# Altium PCB dgainblock.PcbDoc
Units mil, origin at the board's own origin, x right, y up, seen from the top; angles counter-clockwise.
Board outline 1350 x 1576 mil, 2 copper layers (Top Layer, Bottom Layer); 28 components, 14 nets, 85 pads, 533 vias.
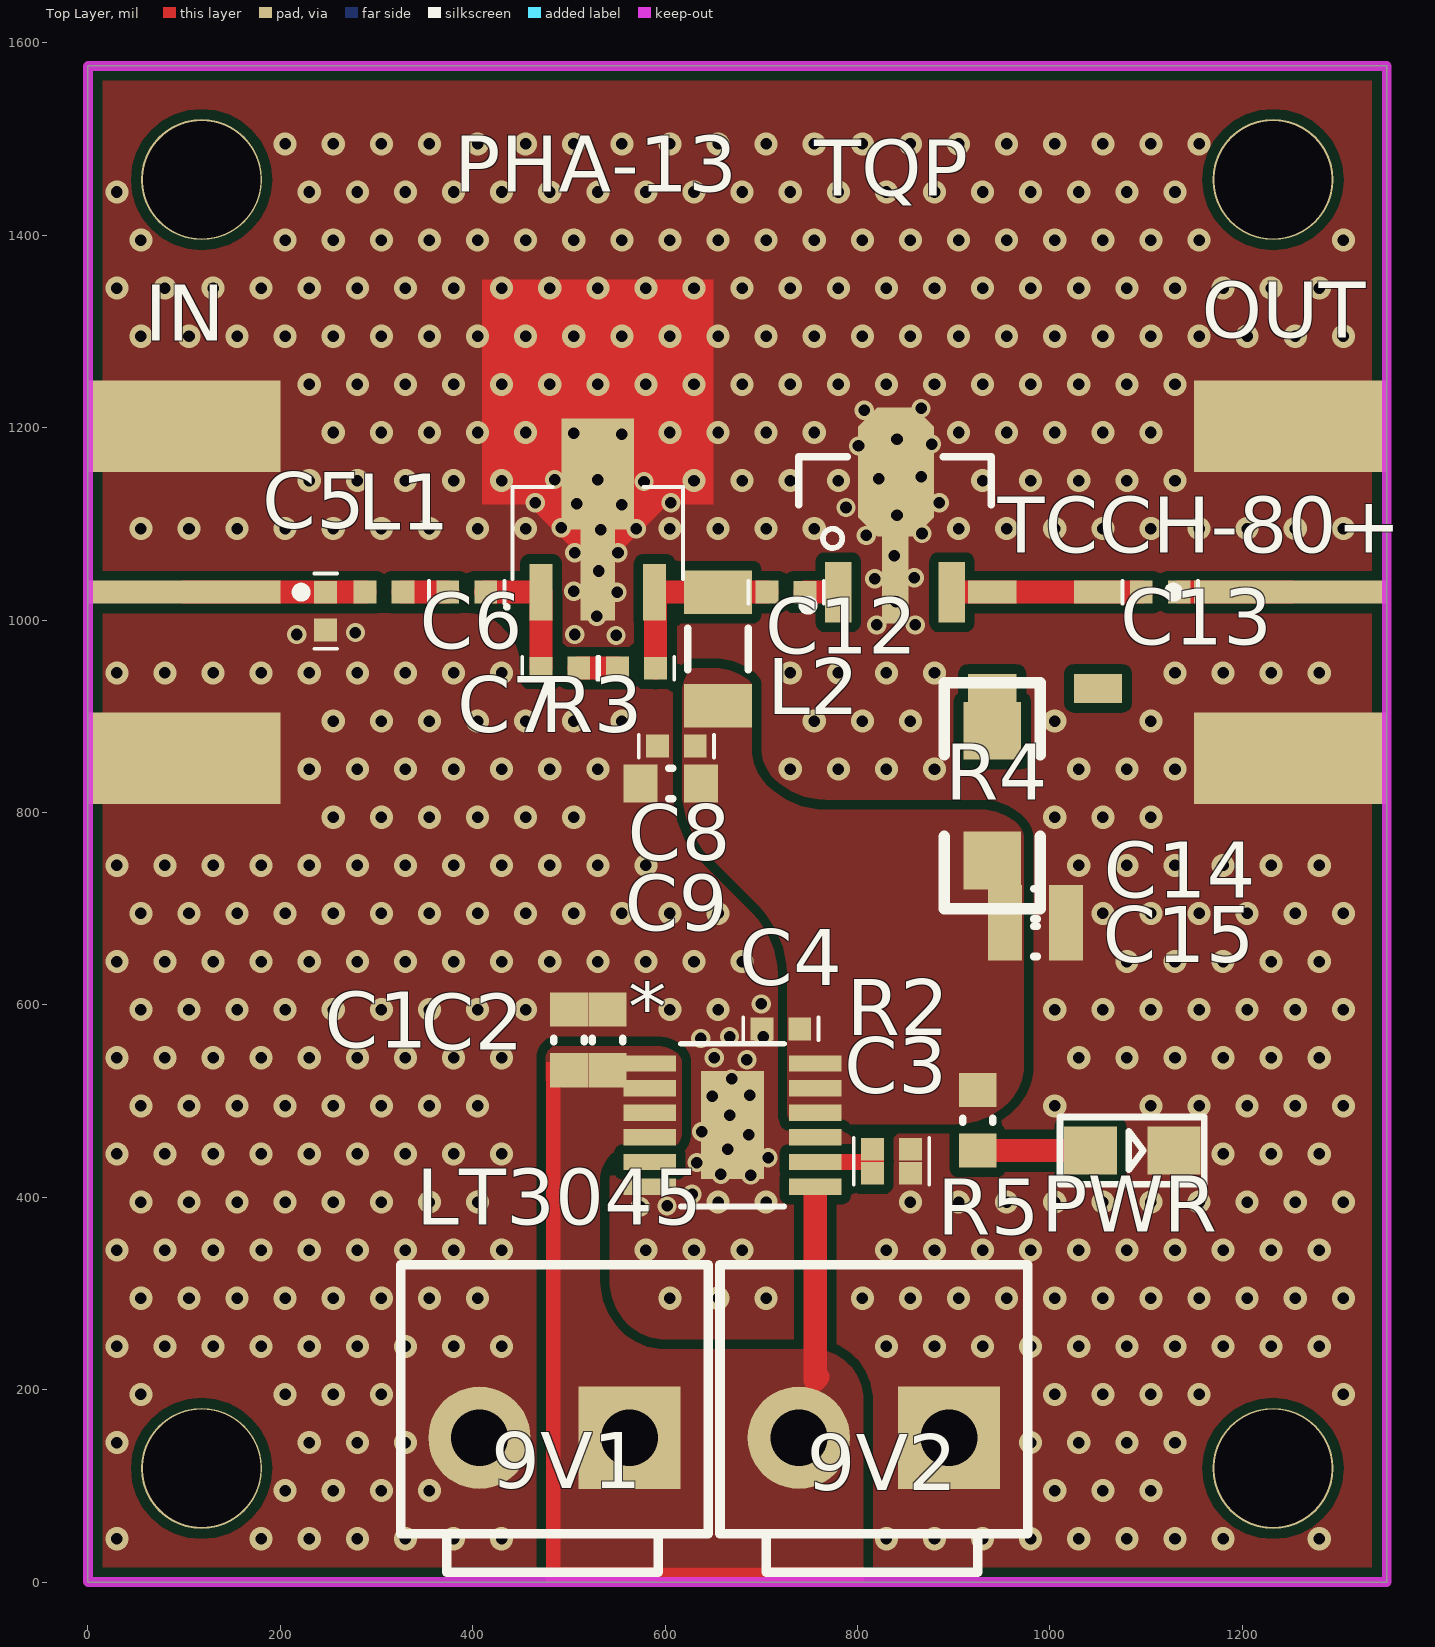
[diagram p0: Top Layer view]
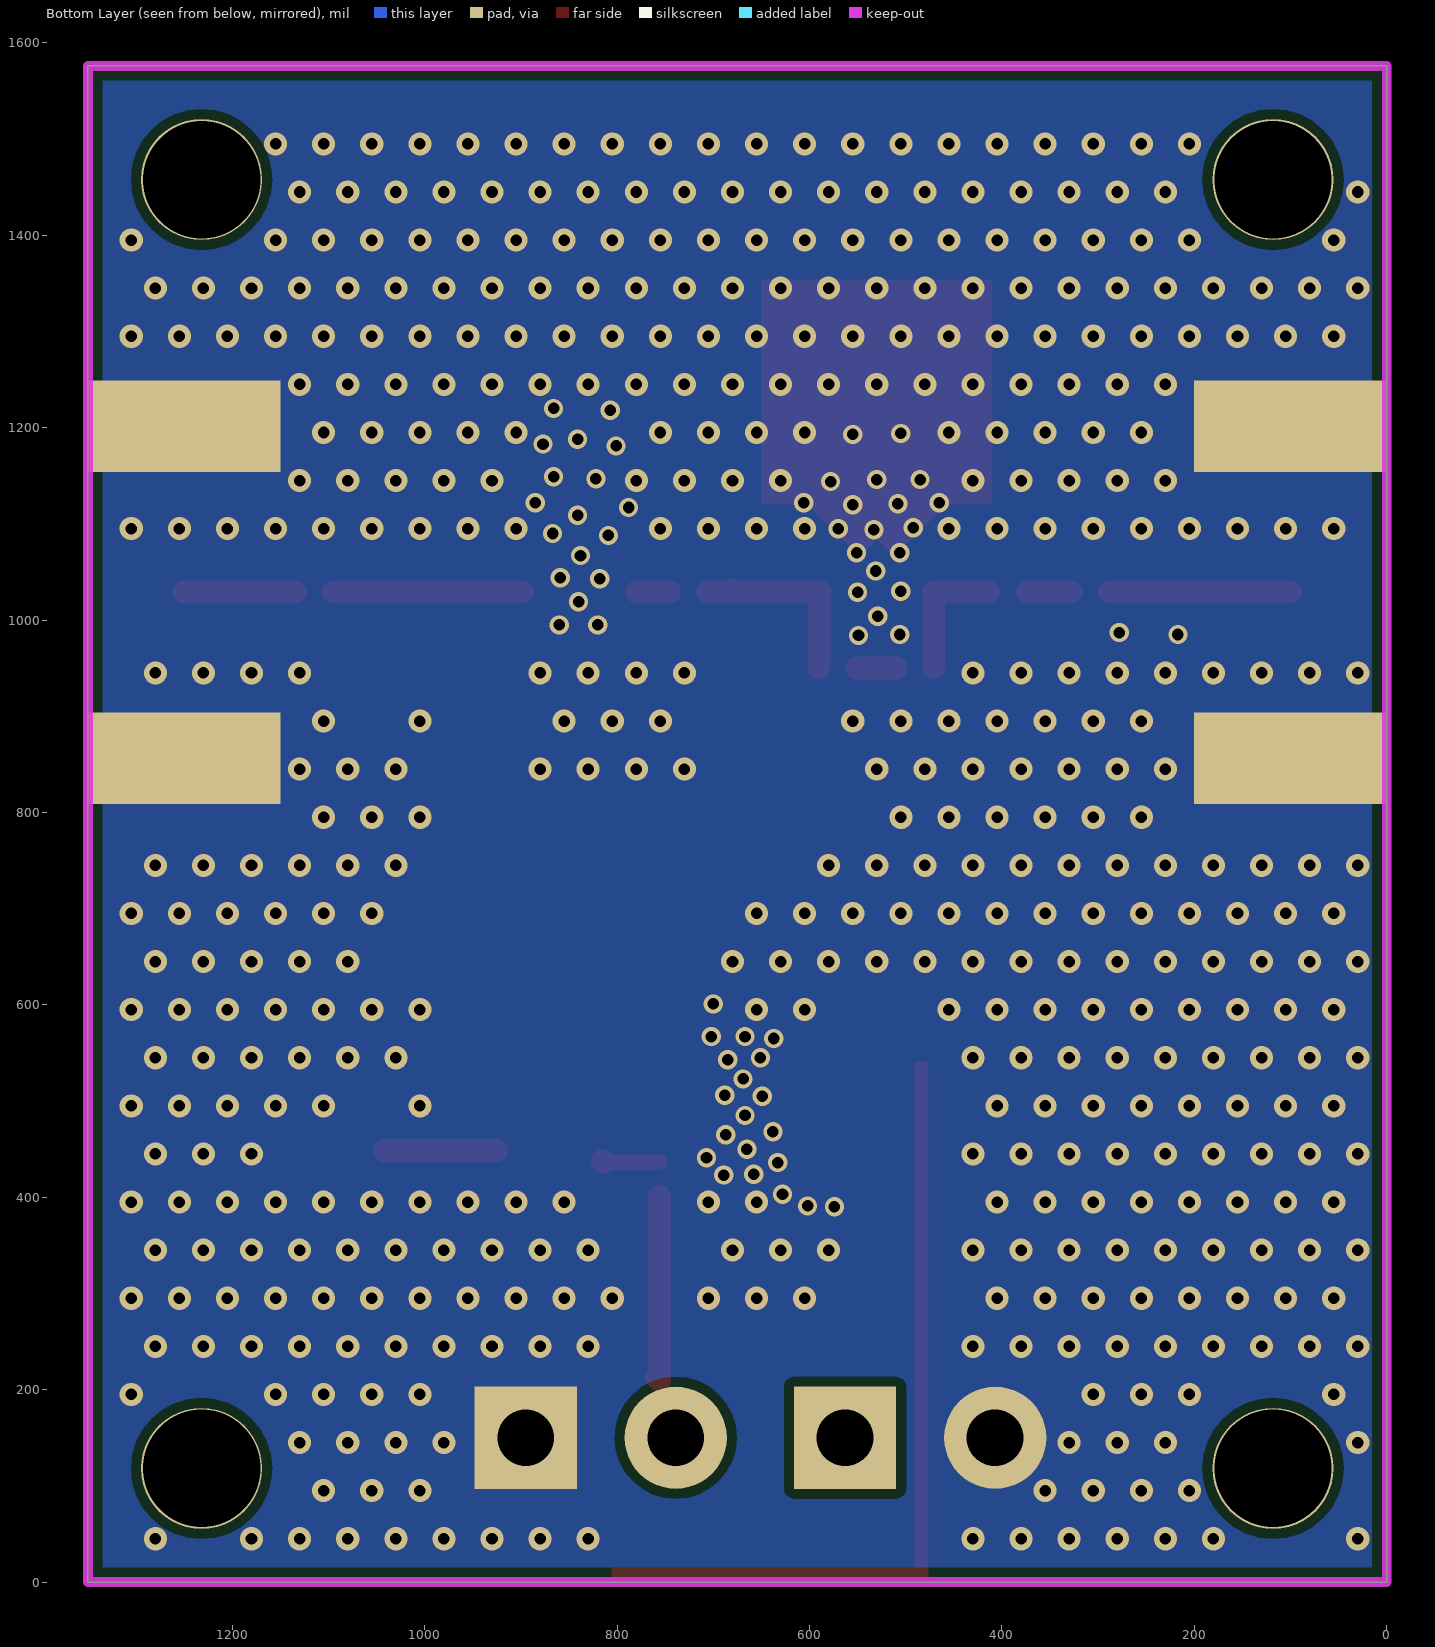
[diagram p1: Bottom Layer view, seen from below]

## Layer stack, top to bottom
Top Solder: solder mask 0.4, Solder Resist, Dk 3.5
Top Layer: signal copper 1.4
Dielectric 1: dielectric 12.6, FR-4, Dk 4.8
Bottom Layer: signal copper 1.4
Bottom Solder: solder mask 0.4, Solder Resist, Dk 3.5

## Board outline
0,0 0,1576 1350,1576 1350,0

## Design rules (kind name [scope] priority, off if disabled: settings)
Clearance [All] p1: gap=10 ignorepadtopadclearanceinfootprint=FALSE except(0: Arc-Hole Track-Hole SMDPad-Hole THPad-Hole Via-Hole Fill-Hole Poly-Hole Region-Hole Text-Hole)
PlaneConnect [All] p1: planeconnectstyle=Direct reliefexpansion=20 reliefentries=4 reliefconductorwidth=10 reliefairgap=10
PolygonConnect [All] p1: connectstyle=Direct reliefconductorwidth=10 reliefentries=4 polygonreliefangle="90 Angle" airgapwidth=10
RoutingVias [All] p1: holewidth=28 width=50 viastyle="Through Hole" minholewidth=28 minwidth=50 maxholewidth=28 maxwidth=50
SolderMaskExpansion [All] p1: expansion=4
Width [All] p1: maxlimit=30 minlimit=24 preferedwidth=24
29 further rules are at their usual default settings.

## Components (designator, comment, footprint, x,y, rotation, side; value= is the part's Value field where it differs from the comment)
9V1 "3.96" 3.96 485,150 r180 top
9V2 "3.96" 3.96 817.05,150 r180 top
C1 "10u" 0603C 500,563.5 r90 top
C2 "4.7uF" 0603C 540,563.5 r90 top
C3 "0.47uF" 0402#1 855,450 r180 top
C4 "10uF" 0402#1 700.63,575 r0 top
C5 "1.5pF" 0402#1 247,989.63 r90 top
C6 "2.2uF" 0402#2 413.37,1029 r180 top
C7 "0.1uF" 0402#3 510.31,950 r180 top
C8 "1000pF" 0402#1 592.01,869 r0 top
C9 "10uF" 0603C 605.79,830 r0 top
C12 "10uF" 0402#4 706,1029 r0 top
C13 "10uF" 0402#2 1095,1029 r0 top
C14 "100nF" 0603C 985,705 r0 top
C15 "100nF" 0603C 985,666 r0 top
IN "SMA" SMA 196,1024 r0 top
L1 "5.1nH" 0402#5 307.68,1029 r0 top value=100uH
L2 "15uH" 1206C 655,969.94 r270 top value=100uH
LT3045 "LT3045EMSE" MSOP12-MSE-RevG_ADI 670,475 r0 top
OUT "SMA" SMA 1154,1034 r180 top
PHA-13 "PHA-13LN+" PHA13LN 530,1090.42 r0 top
PWR "LED" SMDLED 1041.97,448.57 r0 top (schematic designator LD1)
R2 "50K" 0402#1 855,425 r180 top
R3 "1k5" 0402#4 550.63,950 r0 top
R4 "24" 1206 940,750 r90 top
R5 "1K" 0603R 925,480 r90 top
TCCH-80+ "TCCH-80+" GU1604 995,979 r270 top
TQP "TQP369182" SOT89_M 839.06,1109.87 r0 top

## Footprints (in the part's own frame and the unit in brackets; to place one, negate y for a bottom-side part, rotate by r counter-clockwise, add the part's x,y. Pads: shape width x height; smd on the part's side, far side on the other; paste and mask are expansions set on the pad)
3.96 [mm] "接插件，25V/5A"
  rect 2.7x2.7 hole 1.5: 1(-1.98,0)
  round 2.7 hole 1.5: 2(1.982,0)
  silkscreen extent -4.06,-4.57 4.07,3.56, body extent -3.98,-4.4 4.03,4.16, height 10.5
0402#1 [mm]
  rect 0.6x0.6 smd: 1(0,0) 2(1,0)
  silkscreen extent -0.5,-0.3 1.5,0.3
0402#2 [mm]
  rect 0.6x0.61 smd: 1(0,0) 2(1,0)
  silkscreen extent -0.5,-0.3 1.5,0.3
0402#3 [mm]
  rect 0.6x0.61 smd: 1(0,0)
  rect 0.6x0.6 smd: 2(1,0)
  silkscreen extent -0.5,-0.3 1.5,0.3
0402#4 [mm]
  rect 0.61x0.61 smd: 1(0,0)
  rect 0.6x0.6 smd: 2(1,0)
  silkscreen extent -0.5,-0.3 1.5,0.3
0402#5 [mm] "Chip Capacitor, Body 1.0x0.5mm, IPC High Density"
  rect 0.61x0.61 smd: 1(-0.5,0)
  rect 0.6x0.61 smd: 2(0.5,0)
  body extent -0.55,-0.3 0.55,0.3, height 1.3
0603C [mm] "Chip Capacitor, Body 1.6x0.8mm, Height 1.0mm, IPC Medium Density"
  rect 0.9x1 smd: 1(-0.8,0) 2(0.8,0)
  silkscreen extent -0.05,-0.4 0.05,0.4, body extent -0.88,-0.48 0.88,0.47, height 1
0603R [mm] "Chip Resistor, Body 1.6x0.8mm, IPC Medium Density"
  rect 0.9x1 smd: 1(-0.8,0) 2(0.8,0)
  silkscreen extent -0.05,-0.4 0.05,0.4, body extent -0.85,-0.47 0.85,0.47, height 0.6
1206 [mil]
  rect 60x60 smd: 1(0,0) 2(135,0)
  silkscreen extent -50,-50 185,50
1206C [mm] "Chip Capacitor, Body 3.2x1.6mm, Height 1mm, IPC Medium Density"
  rect 1.15x1.8 smd: 1(-1.5,0) 2(1.5,0)
  silkscreen extent -0.55,-0.8 0.55,0.8, body extent -1.7,-0.9 1.7,0.9, height 1
GU1604 [mil]
  rect 24x50 smd: 1(-50,55) 4(-50,-55)
  rect 30x50 smd: 2(50,55) 3(50,-55)
MSOP12-MSE-RevG_ADI [mm]
  rect 1.393x0.431 smd paste+0 mask+0: 1(-2.185,1.625) 2(-2.185,0.975) 3(-2.185,0.325) 4(-2.185,-0.325) 5(-2.185,-0.975) 6(-2.185,-1.625) 7(2.185,-1.625) 8(2.185,-0.975) 9(2.185,-0.325) 10(2.185,0.325) 11(2.185,0.975) 12(2.185,1.625)
  rect 1.651x2.845 smd paste-1.41 mask+0: EPAD(0,0)
  silkscreen extent -1.36,-2.15 1.36,2.15, body extent 0,0 0.25,0.25, height 0.25
PHA13LN [mm]
  rect 0.61x1.5 smd: 1(-1.5,-1.56) 3(1.5,-1.56)
  rect 0.91x2.5 smd: 2(0,-1.06)
  rect 1.91x2.92 smd: 4(0,1.56)
  silkscreen extent -2.45,-2 2.25,1.22, body extent -2.25,-1.22 2.25,1.22, height 1.7
SMA [mil]
  rect 200x24 smd: 1(-96,5)
  rect 200x95 smd: 2(-96,-167.5) 2(-96,177.5)
  rect 200x95 smd far side: 2(-96,-167.5) 2(-96,177.5) 2(-96,177.5)
  silkscreen extent 21,0 31,10, body extent -571,-183 -9,192, height 171
SMDLED [mm]
  rect 1.4x1.27 smd: 1(0.001,-0.002) 2(2.211,-0.002)
  silkscreen extent -0.8,-0.89 3.01,0.89
SOT89_M [mm] "4.6x4.3x1.6mm(长宽高)"
  rect 0.7x1.6 smd: 1(-1.5,-2.054) 3(1.5,-2.054)
  rect 0.7x2.4 smd: 2(0,-1.676)
  oct 2x3.4 smd: 2(0.025,1.118)
  silkscreen extent -2.54,-2.52 2.54,1.52, body extent -2.3,-2.4 2.3,1.9, height 1.6

## Part data
C1 C2 C3 C4 C5 C6 C7 C8 C9 C12 C13 C14 C15: library part C, "Capacitor"
IN OUT: "SMA Connector"
L1 L2: library part Inductor, "Inductor", Published=8-Jun-2000, Publisher="Altium Limited", Revision="July-2002: Re-released for DXP Platform."
LT3045: "No Description Available", Built_By=SunStream, Copyright="Copyright (C) 2018 Accelerated Designs. All rights reserved", Manufacturer_Part_Number=LT3045EMSE, RefDes=RefDes, SourceLibrary=Analog_Devices_Inc_2020-09-15, Type=DEV, Vendor="Analog Devices Inc"
PHA-13: "Integrated Circuit", Manufacturer_Name=Mini-Circuits, Mouser Part Number=139-PHA-13LN, Datasheet Link=https://www.minicircuits.com/pdfs/PHA-13LN+.pdf, Height=1.6mm, Manufacturer_Part_Number=PHA-13LN+, Mouser Price/Stock=https://www.mouser.co.uk/ProductDetail/Mini-Circuits/PHA-13LN%2b?qs=xZ%2FP%252Ba9zWqYkwnUBoTp7PQ%3D%3D
PWR: "Typical RED, GREEN, YELLOW, AMBER GaAs LED", PackageDocument=Feb-2002, LatestRevisionDate=17-Jul-2002, LatestRevisionNote="Re-released for DXP Platform.", PackageReference=3.2X1.6X1.1, Published=8-Jun-2000, Publisher="Altium Limited"
R2 R3 R4 R5: library part Resistor, "Resistor"

## Free pads (board coordinates)
  round 125.98 hole 122.05: 3(118.11,118.11) 3(118.11,1457.89) 3(1231.89,118.11) 3(1231.89,1457.89)

## Via types
v1: diameter 24, hole 12, Top Layer to Bottom Layer, tented both sides, 473 vias
v2: diameter 20, hole 12, Top Layer to Bottom Layer, tented both sides, 60 vias

## Nets (pads, with @x,y where several pads share a name; then routed paths per layer and width w, separated by ;. In a path a pad name is that pad's centre, name@x,y a point inside that pad or via, vN(x,y) a via of type N, cw(c..) or ccw(c..) an arc to the next point about the centre after c; other vN are vias at no path point)
5V: C4.2 C8.2 C9.2 C14.1 C15.1 L2.2 LT3045.10 LT3045.11 LT3045.12 R4.1 R5.2
GND: 9V1.2 9V2.1 C1.2 C2.2 C3.1 C4.1 C5.1 C8.1 C9.1 C14.2 C15.2 IN.2 LT3045.6 LT3045.9 LT3045.EPAD OUT.2 PHA-13.2 PHA-13.4 PWR.2 R2.1 TQP.2
  other v1: 30,45 180,45 230,45 280,45 330,45 380,45 430,45 830,45 880,45 930,45 980,45 1030,45 1080,45 1130,45 1180,45 1280,45 205,95 255,95 305,95 355,95 1005,95 1055,95 1105,95 30,145 230,145 280,145 330,145 980,145 1030,145 1080,145 1130,145 55,195 205,195 255,195 305,195 1005,195 1055,195 1105,195 1155,195 1305,195 30,245 80,245 130,245 180,245 230,245 280,245 330,245 380,245 430,245 830,245 880,245 930,245 980,245 1030,245 1080,245 1130,245 1180,245 1230,245 1280,245 55,295 105,295 155,295 205,295 255,295 305,295 355,295 405,295 605,295 655,295 705,295 805,295 855,295 905,295 955,295 1005,295 1055,295 1105,295 1155,295 1205,295 1255,295 1305,295 30,345 80,345 130,345 180,345 230,345 280,345 330,345 380,345 430,345 580,345 630,345 680,345 830,345 880,345 930,345 980,345 1030,345 1080,345 1130,345 1180,345 1230,345 1280,345 55,395 105,395 155,395 205,395 255,395 305,395 355,395 405,395 655,395 705,395 855,395 905,395 955,395 1005,395 1055,395 1105,395 1155,395 1205,395 1255,395 1305,395 30,445 80,445 130,445 180,445 230,445 280,445 330,445 380,445 430,445 1180,445 1230,445 1280,445 55,495 105,495 155,495 205,495 255,495 305,495 355,495 405,495 1005,495 1105,495 1155,495 1205,495 1255,495 1305,495 30,545 80,545 130,545 180,545 230,545 280,545 330,545 380,545 430,545 1030,545 1080,545 1130,545 1180,545 1230,545 1280,545 55,595 105,595 155,595 205,595 255,595 305,595 355,595 405,595 455,595 605,595 655,595 1005,595 1055,595 1105,595 1155,595 1205,595 1255,595 1305,595 30,645 80,645 130,645 180,645 230,645 280,645 330,645 380,645 430,645 480,645 530,645 580,645 630,645 680,645 1080,645 1130,645 1180,645 1230,645 1280,645 55,695 105,695 155,695 205,695 255,695 305,695 355,695 405,695 455,695 505,695 555,695 605,695 655,695 1055,695 1105,695 1155,695 1205,695 1255,695 1305,695 30,745 80,745 130,745 180,745 230,745 280,745 330,745 380,745 430,745 480,745 530,745 580,745 1030,745 1080,745 1130,745 1180,745 1230,745 1280,745 255,795 305,795 355,795 405,795 455,795 505,795 1005,795 1055,795 1105,795 230,845 280,845 330,845 380,845 430,845 480,845 530,845 730,845 780,845 830,845 880,845 1030,845 1080,845 1130,845 255,895 305,895 355,895 405,895 455,895 505,895 555,895 755,895 805,895 855,895 1005,895 1105,895 30,945 80,945 130,945 180,945 230,945 280,945 330,945 380,945 430,945 730,945 780,945 830,945 880,945 1130,945 1180,945 1230,945 1280,945 55,1095 105,1095 155,1095 205,1095 255,1095 305,1095 355,1095 405,1095 455,1095 605,1095 655,1095 705,1095 755,1095 905,1095 955,1095 1005,1095 1055,1095 1105,1095 1155,1095 1205,1095 1255,1095 1305,1095 230,1145 280,1145 330,1145 380,1145 430,1145 630,1145 680,1145 730,1145 780,1145 930,1145 980,1145 1030,1145 1080,1145 1130,1145 255,1195 305,1195 355,1195 405,1195 455,1195 605,1195 655,1195 705,1195 755,1195 905,1195 955,1195 1005,1195 1055,1195 1105,1195 230,1245 280,1245 330,1245 380,1245 430,1245 480,1245 530,1245 580,1245 630,1245 680,1245 730,1245 780,1245 830,1245 880,1245 930,1245 980,1245 1030,1245 1080,1245 1130,1245 55,1295 105,1295 155,1295 205,1295 255,1295 305,1295 355,1295 405,1295 455,1295 505,1295 555,1295 605,1295 655,1295 705,1295 755,1295 805,1295 855,1295 905,1295 955,1295 1005,1295 1055,1295 1105,1295 1155,1295 1205,1295 1255,1295 1305,1295 30,1345 80,1345 130,1345 180,1345 230,1345 280,1345 330,1345 380,1345 430,1345 480,1345 530,1345 580,1345 630,1345 680,1345 730,1345 780,1345 830,1345 880,1345 930,1345 980,1345 1030,1345 1080,1345 1130,1345 1180,1345 1230,1345 1280,1345 55,1395 205,1395 255,1395 305,1395 355,1395 405,1395 455,1395 505,1395 555,1395 605,1395 655,1395 705,1395 755,1395 805,1395 855,1395 905,1395 955,1395 1005,1395 1055,1395 1105,1395 1155,1395 1305,1395 30,1445 230,1445 280,1445 330,1445 380,1445 430,1445 480,1445 530,1445 580,1445 630,1445 680,1445 730,1445 780,1445 830,1445 880,1445 930,1445 980,1445 1030,1445 1080,1445 1130,1445 205,1495 255,1495 305,1495 355,1495 405,1495 455,1495 505,1495 555,1495 605,1495 655,1495 705,1495 755,1495 805,1495 855,1495 905,1495 955,1495 1005,1495 1055,1495 1105,1495 1155,1495
  other v2: 574,390 602,391 628,403 689,423 658,424 633,436 707,441 665,450 687,465 638,468 667,485 649,505 688,506 669,523 685,543 651,545 637,565 667,567 702,567 700,601 549,984 217,985 506,985 278,987 820,995 860,995 529,1004 840,1019 550,1029 505,1030 818,1043 859,1044 531,1051 838,1067 506,1070 551,1070 809,1088 867,1090 533,1094 570,1095 492,1096 841,1109 788,1117 555,1120 508,1121 465,1122 606,1122 885,1122 578,1144 485,1146 530,1146 822,1147 866,1149 801,1181 877,1183 841,1188 555,1193 505,1194 807,1218 866,1220
Net9V1_1: 9V1.1 9V2.2 C1.1 C2.1 LT3045.1 LT3045.2 LT3045.3 LT3045.4 LT3045.7 | length 198.8
  Top Layer w24: 756.02,220.19 ccw(c766.19,220.19) 756.05,219.49 ; 756.05,210.21 756.05,219.49 ; 756.05,401.05 756.05,219.49 ; 759,213 cw(c766.19,220.19) 756.05,219.49
NetC3_2: C3.2 LT3045.8 R2.2 | length 59.8
  Top Layer w17: LT3045.8 R2.2@813.49,436.61
  Top Layer w24: R2.2@813.49,436.61 ccw(c813.49,439.64) 815.63,437.5
NetC5_2: C5.2 IN.1 L1.1 | length 188
  Top Layer w24: IN.1 C5.2 L1.1
NetC6_1: C6.1 C7.2 PHA-13.1 | length 136.6
  Top Layer w24: C6.1 PHA-13.1 C7.2
NetC6_2: C6.2 L1.2 | length 46.6
  Top Layer w24: L1.2 C6.2
NetC7_1: C7.1 R3.1 | length 40.3
  Top Layer w24: C7.1 R3.1
NetC12_2: C12.2 TQP.1 | length 34.6
  Top Layer w24: C12.2 TQP.1
NetC13_1: C13.1 TCCH-80+.1 TCCH-80+.4 TQP.3 | length 196.9
  Top Layer w24: TQP.3 TCCH-80+.4 TCCH-80+.1 C13.1
NetC13_2: C13.2 OUT.1 | length 115.6
  Top Layer w24: C13.2 OUT.1
NetLD1_1: PWR.1 R5.1 | length 117
  Top Layer w24: R5.1 PWR.1
NetR4_2: R4.2 TCCH-80+.3
OUT1: C12.1 L2.1 PHA-13.3 R3.2 | length 199
  Top Layer w24: R3.2 590,1028.06 PHA-13.3 L2.1 L2.1@679,1029 ; L2.1@680,1031.41 cw(c676.59,1031.41) L2.1@679,1029 ; C12.1 L2.1@679,1029
pads on no net: LT3045.5 TCCH-80+.2

## Polygon pours and split planes (outlines as drawn)
GND on Top Layer "Top Layer-No Net" (solid, remove dead copper, pour order 8): 0,1576 1350,1576 1350,0 0,0
Net9V1_1 on Top Layer "Top Layer-No Net" (solid, remove dead copper, pour order 2): 592.27,557 cw(c592.27,526.27) 614,548 cw(c606.76,540.76) 617,540.76 617,466.07 cw(c599.93,466.07) 612,454 cw(c604.76,461.24) 604.76,451 559.9,451 ccw(c559.9,427.1) 543,444 ccw(c569.56,417.44) 532,417.44 532,314.11 ccw(c607.11,314.11) 554,261 ccw(c599.87,306.87) 599.87,242 753.79,242 cw(c753.79,190.79) 790,227 cw(c751.37,188.37) 806,188.37 806,0 488,0 488,495.34 ccw(c474.34,495.34) 484,505 cw(c503.31,524.31) 476,524.31 476,545 cw(c488.07,545) 479.54,553.54 482,556 cw(c484.41,553.59) 484.41,557
5V on Top Layer "Top Layer-No Net" (solid, remove dead copper, pour order 0): 628,950 ccw(c652.14,925.86) 618,925.86 618,823.42 ccw(c718,823.42) 647.29,752.71 697.71,702.29 cw(c627,631.58) 727,631.58 727,485.24 ccw(c737.24,485.24) 730,478 ccw(c734.83,482.83) 734.83,476 901.47,476 ccw(c901.47,554.53) 957,499 ccw(c918.37,537.63) 973,537.63 973,772.51 ccw(c952.51,772.51) 967,787 ccw(c928.37,748.37) 928.37,803 766.36,803 cw(c766.36,888.36) 706,828 cw(c744.63,866.63) 690,866.63 690,934 ccw(c651.37,895.37) 651.37,950
GND on Bottom Layer "Top Layer-No Net" (solid, remove dead copper, pour order 6): 0,1576 1350,1576 1350,0 0,0

## Keep-outs
Keep-Out Layer:
  the board outline again, w10

## Other copper
Top Layer:
  region net GND: 547.72,1065.28 609.24,1126.8 567.52,1168.52 506,1107
  region net GND: 554,1107 492.48,1168.52 450.76,1126.8 512.28,1065.28
  rectangle net GND: 409.5,1120 650.5,1354
  rectangle net Net9V1_1: 491,0 806,15.29
  rectangle net Net9V1_1: 476,0 491,540.76
  pour cut-out: 284,1007 397.62,1007 cw(c397.62,962.62) 429,994 435.57,987.43 cw(c403.13,955) 449,955 449,981.1 cw(c472.9,981.1) 456,998 452.36,1001.64 cw(c467.73,1017) 446,1017 365.97,1017 cw(c365.97,1057.97) 337,1029

## Silkscreen, mask and mechanical layers (free items; w line width, h text height)
Top Solder:
  region: 551.5,1061.5 613.02,1123.02 567.52,1168.52 506,1107
  region: 554,1107 492.48,1168.52 446.98,1123.02 508.5,1061.5
  rectangle: 505,972 557,1078
  rectangle: 409,1113 964,1367
Bottom Solder:
  rectangle: 338,351 967,1399

## Text inside footprints (layer, text, board x,y; h text height)
LT3045: Top Overlay "*" at 561.48,550.94 h100